# Allegro board Notecarrier-A PCB v2.0.brd (continued)
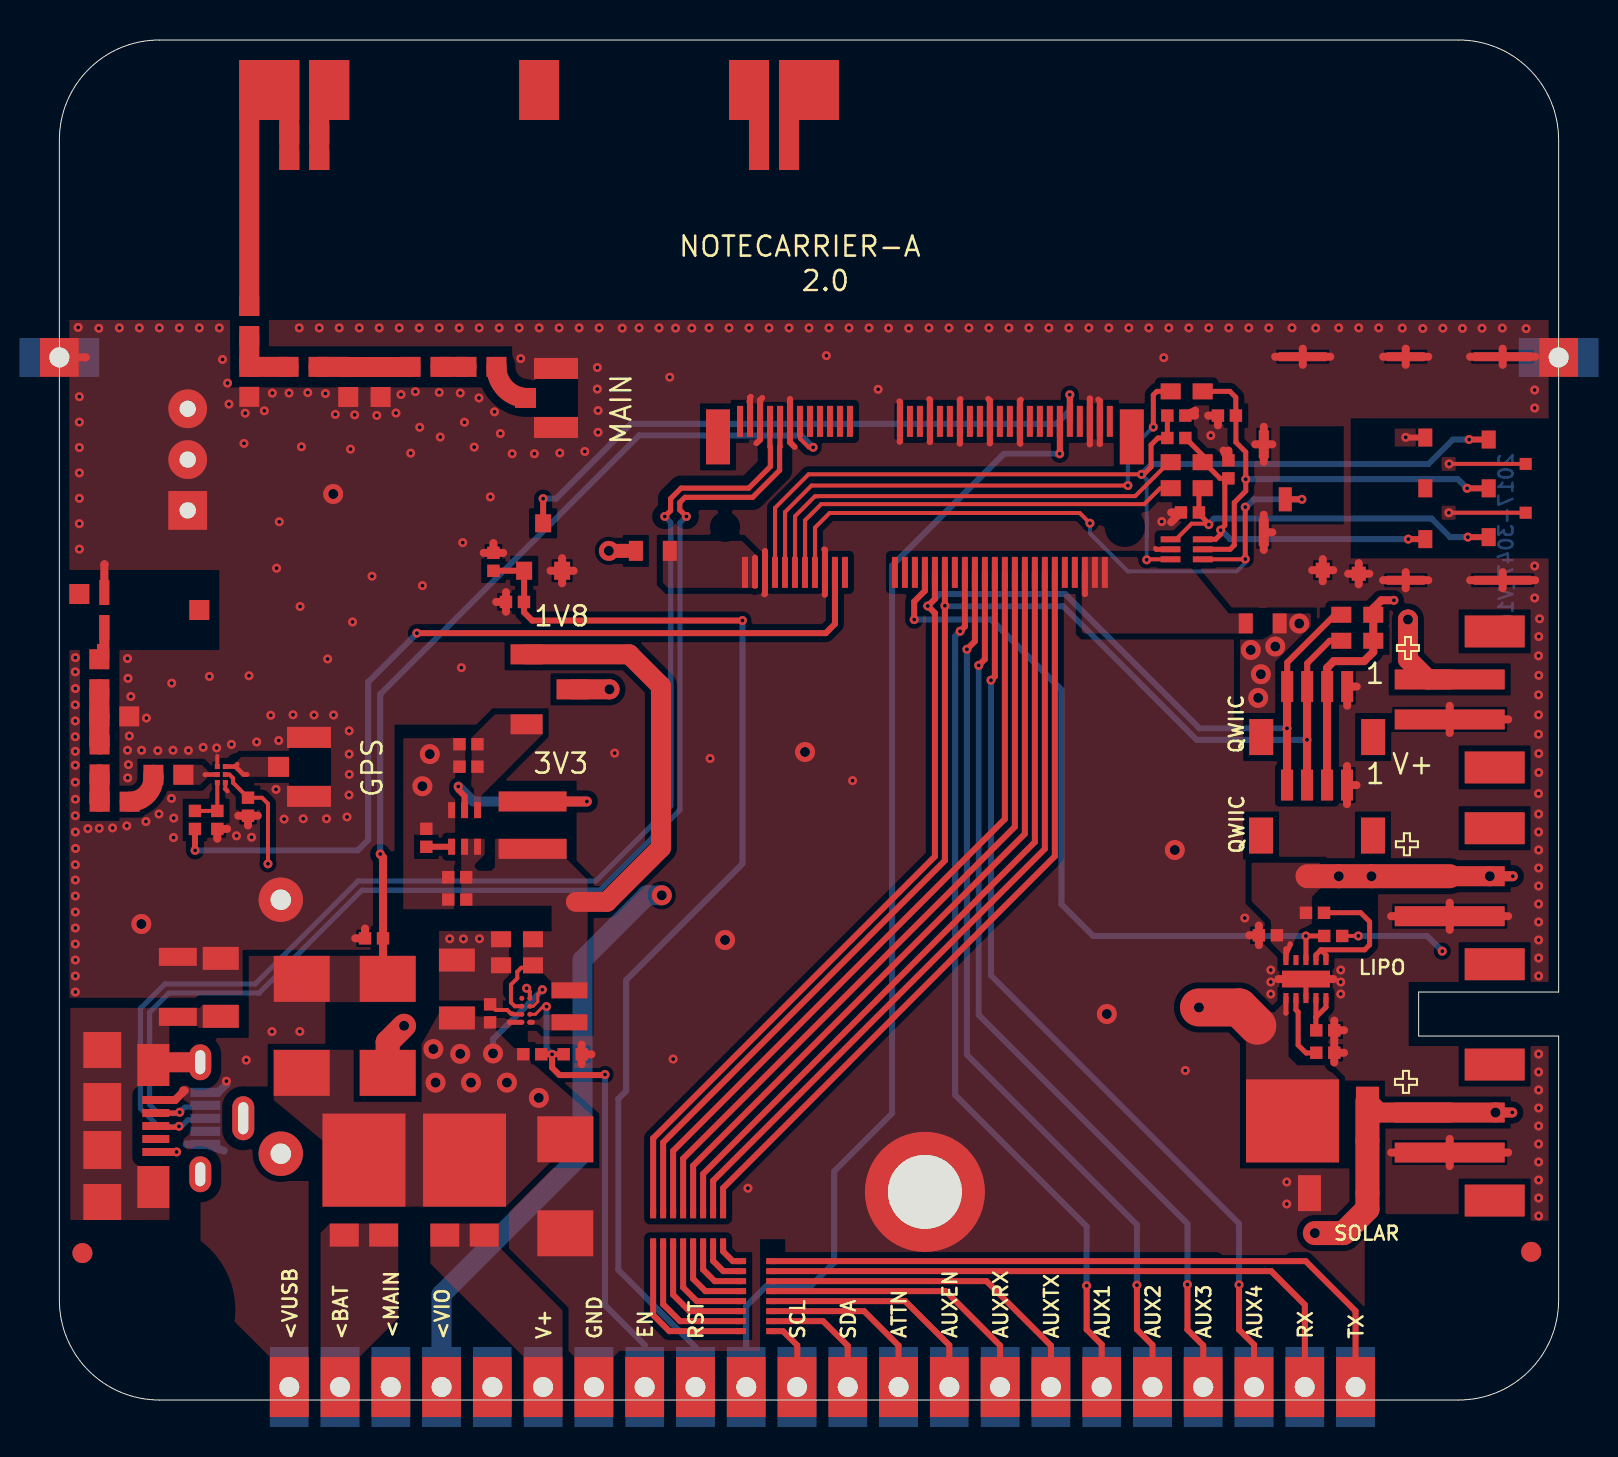
[diagram p0: board, top side]
## Copper pours and planes (outline as drawn; the poured copper is in the pictures) (continued)
+1V8 on TOP: 19.84,28.06 25.36,28.06 25.37,28.06 25.37,27.06 25.37,27.06 26.43,25.99 26.43,25.96 26.43,25.95 26.43,23.21 26.42,23.21 26.42,20.09 24.62,20.09 24.62,20.89 24.19,21.34 23.19,21.34 23.19,23.43 24.63,23.43 24.63,24.71 19.84,24.71 ; 1 cut-out
+3V3 on TOP: 20.75,29.09 20.75,30.55 20.6,30.69 20.6,33.1 21.79,34.28 24.17,34.28 24.17,33.28 21.85,30.96 21.1,30.21 21.1,29.09
GND on TOP: 10.49,54 74.5,54 74.5,49.08 74.1,49.08 74.1,42.08 74.5,42.08 74.5,20.9 67.5,20.9 67.5,17.7 74.5,17.7 74.5,8.96 70.84,8.96 70.84,5.88 74.5,5.88 74.5,5 73.33,1.97 70.42,0.52 70.42,8.93 70.18,8.93 70.18,9.29 65.32,9.29 65.32,8.93 65.3,8.93 65.3,0.5 28.39,0.5 28.39,2.15 28.2,2.15 28.27,2.22 28.27,2.26 28.34,2.33 28.34,2.44 28.33,2.45 28.02,2.45 27.72,2.15 27.71,2.15 27.71,0.5 25.77,0.5 25.77,2.15 25.76,2.16 25.47,2.45 25.47,2.16 25.39,2.16 25.39,2.14 25.29,2.14 25.29,0.5 12.89,0.5 12.89,2.12 22.28,2.12 22.28,7.56 22.49,7.56 22.49,9.49 22,9.49 22,9.38 12.89,9.38 12.89,15.34 14.57,15.34 14.57,18.75 14.86,18.75 14.86,18.58 16.14,18.58 16.14,19.47 18.69,19.47 18.69,19.44 22.9,19.44 22.9,23.74 24.33,23.74 24.33,24.41 21.59,24.41 21.59,26.58 25.87,26.58 25.87,30.96 21.59,30.96 21.59,33.77 16.77,33.77 16.77,24.12 16.77,24.12 16.77,20.85 16.04,20.85 16.04,20.84 14.86,20.84 14.86,20.55 13.91,20.55 13.89,20.55 13.88,20.53 13.82,20.48 13.79,20.52 13.75,20.54 13.71,20.55 12.75,20.55 12.75,20.9 11.75,20.9 11.75,20.73 11.56,20.54 10.9,20.54 10.9,18.75 11.62,18.75 12.46,17.31 8.06,17.31 8.06,19.63 0.5,19.63 0.5,20.07 0.5,54 8.54,54 8.54,52.69 10.49,52.69 ; 29 cut-outs
GND on TOP: 19.37,33.09 20.32,33.09 20.32,31.36 19.8,31.36 19.8,24.54 17.2,24.54 17.2,33.09 19.37,33.09
GND on TOP: 18.99,23.45 22.49,23.45 22.49,19.97 22.18,19.97 22.18,19.46 21.24,19.46 21.24,19.97 18.99,19.97
GND on BOTTOM: 0.5,54 74.45,54 74.45,20.9 67.5,20.9 67.5,17.7 74.45,17.7 74.45,8.78 70.4,8.78 70.4,4.71 66.23,4.71 66.23,2.93 65.46,2.93 65.46,0.5 29.35,0.5 29.35,2.48 27.33,4.5 27.33,12.07 27.04,12.36 25.88,12.36 25.88,11.98 18.74,4.84 18.74,1.13 19.37,0.5 10.45,0.5 10.45,2.93 8.81,2.93 8.81,3.91 4.09,3.91 4.09,0.59 1.56,2.1 0.5,4.85 4.91,4.85 4.91,8.88 0.5,8.88 ; 9 cut-outs
GND on GND: 10.3,54 74.5,54 74.5,20.9 67.5,20.9 67.5,17.7 74.5,17.7 74.5,5 73.18,1.82 70,0.5 69,0.5 69,2.4 67.03,2.4 67.03,2.45 65.49,2.45 65.49,2.4 63.7,2.4 63.7,0.5 28.31,0.5 28.31,2.15 27.71,2.15 27.71,0.5 25.78,0.5 25.78,2.16 25.77,2.16 25.48,2.45 25.08,2.45 25.08,2.38 25.3,2.16 25.38,2.16 25.38,0.5 10.73,0.5 10.73,2.45 6.69,2.45 6.69,0.5 5,0.5 1.82,1.82 0.5,5 0.5,36.87 0.5,36.87 0.5,37.5 0.5,37.5 0.5,54 8.7,54 8.7,50.63 8.7,50.63 21.17,50.63 21.2,50.6 21.2,50.9 22.65,50.9 22.65,51.32 22.65,52.68 22.65,52.69 10.3,52.69 ; 3 cut-outs
GND on POWER: 0.5,37.54 15.28,37.54 15.28,27.62 0.5,27.62
GND on POWER: 7.62,54 7.62,46.61 27.87,46.61 27.87,54
VBAT on TOP: 59.64,26.86 59.64,24.94 60.6,23.98 60.6,22.88 61.23,22.25 61.23,21.75 61.48,21.75 61.48,22.25 62.02,23.48 62.68,23.83 62.67,24.05 62.67,25.18 63.06,25.57 63.06,26.86
VBAT on TOP: 13.53,8.82 16.95,8.82 16.95,4.09 15.01,2.15 15.01,0.5 13.07,0.5 13.07,8.36
VBAT on POWER: 9.52,13.57 9.52,11.31 9.92,10.92 14.91,10.92 15.32,11.32 15.32,17.61 16.35,18.65 16.35,21.5 16.34,21.52 16.64,21.82 57.89,21.82 58.01,21.94 58.01,39.32 58.51,39.84 62.64,39.84 63.15,39.33 63.15,25.06 63.28,24.92 66.05,24.92 66.22,25.08 66.22,41.88 66.01,42.09 56.09,42.09 55.85,41.84 55.85,24.83 55.21,24.2 15.51,24.2 12.78,21.47 12.78,16.05 10.5,13.77 9.73,13.77
GPS_50 on TOP: 11.49,32.16 11.49,31.16 9.14,31.16 8.75,31.55 8.18,31.55 8.18,31.8 8.74,31.8 9.1,32.16
GPS_50_A on TOP: 8.03,31.4 8.03,31.15 7.43,31.15 7.04,30.76 5.7,30.76 5.7,31.76 7.12,31.76 7.49,31.4
GPS_50_E on TOP (solid shape): 2.5,37 1.88,37 1.88,37.8 2,37.8 2,39.25 2.5,39.25
LTE_50_D on TOP (solid shape): 12,61.5 11,61.5 11,64 10,64 10,54.2 9,54.2 9,67 12,67
USB_SHIELD on TOP: 5.5,18.71 5.5,9 0.55,9 0.55,19.61 7.02,19.61 7.17,19.76 8.97,19.76 8.97,18.61 6.97,18.61 6.87,18.71
V+ on TOP: 25.17,4.48 21.98,7.67 21.98,8.82 18.56,8.82 18.56,6.82 23.23,2.15 23.23,0.5 25.17,0.5
VIO on POWER: 1.48,53.03 74.5,53.03 74.5,52.23 73.31,52.23 73.31,35.03 73.32,35.03 73.32,31.49 73.31,31.49 73.31,20.9 66.25,20.9 66.25,5.59 73.31,5.59 73.31,5.54 74.5,5.54 74.5,5 74.36,3.89 73.95,2.84 66.16,2.84 66.16,5.68 63.67,5.68 63.67,2.84 15.62,2.84 15.62,10.03 14.46,10.03 14.46,2.84 13.35,2.84 13.35,5.72 12.09,5.72 7.23,5.74 4.51,7.46 4.51,8.79 1.25,8.79 1.25,8.83 1.25,8.83 1.25,19.93 1.25,19.93 1.25,29.75 1.48,29.75 ; 4 cut-outs
VIO_P on TOP: 30.19,42.96 30.19,40.87 30.45,40.61 34.95,40.61 34.95,42.16 34.15,42.96
VMAIN on TOP: 20.79,19.67 20.79,19.19 21.24,19.19 21.86,19.19 21.86,19.19 22.49,19.19 22.68,19.01 22.69,19.01 23.13,19.01 23.13,18.76 22.69,18.76 22.52,18.6 21.74,18.6 22.75,17.6 23.52,17.6 23.52,16.98 26.7,14.2 26.71,14.19 26.71,11.89 24.56,11.89 22.34,9.67 13.16,9.67 13.14,12.99 10.72,14.99 10.72,17.51 16.75,17.51 17.95,17.51 19.17,19.67
VMAIN on TOP: 60.7,39.33 60.9,39.33 60.89,39.33 62.61,39.33 62.61,38.57 63.35,38.57 63.35,39.33 63.75,39.33 63.72,37.19 63.71,32.71 59.55,32.71 59.55,34.35 59.06,34.35 59.06,37.19 59.06,38.03 60.2,38.03 60.7,38.33 ; 2 cut-outs
VMAIN on POWER: 58.31,39.55 66.21,39.55 66.21,2.77 15.61,2.77 15.61,17.48 16.47,17.48 16.47,18.39 58.31,18.39 ; 1 cut-out
VMODEM_P on TOP: 51.15,42.16 51.15,38.42 51.24,38.33 59.7,38.33 59.7,39.33 58.5,39.33 56.17,42.16
VUSB on TOP: 9.47,22.21 17.82,22.21 17.82,19.89 13.3,19.89 13.3,9.86 12.85,10.28 12.92,10.28 12.92,10.94 12.91,10.95 13.15,10.95 13.15,13.25 11.46,13.25 11.46,10.95 12.47,10.95 12.47,10.63 12.47,0.51 10.53,0.51 10.53,2.15 7.06,5.62 7.06,10.44 6.21,11.3 6.21,18.12 8.77,18.12 9.47,18.82 ; 1 cut-out
VUSB on POWER: 10.2,19.09 12.78,19.09 12.78,16.45 9.53,13.21 9.53,11.28 12.47,8.34 12.47,0.65 10.53,0.65 10.53,2.15 7.02,5.64 7.02,15.9
N17180221 on TOP: 23.53,19.01 23.53,18.76 23.54,18.76 23.98,18.76 24.26,18.48 26.42,18.48 26.42,19.29 24.26,19.29 23.98,19.01
N17224639 on TOP: 59.36,11.88 64.01,11.88 64.01,16.03 63.31,16.74 61.93,16.74 61.49,17.17 61.48,19.55 61.48,20.35 61.23,20.35 61.23,19.85 60.78,19.39 59.66,19.39 59.36,19.1
N17224639 on POWER: 16.65,21.53 58.01,21.53 58.01,18.69 18.11,18.69 18.11,17.78 16.65,17.78 16.65,18.69 16.65,18.69
N17281748 on TOP (solid shape): 14.5,64 13.5,64 13.5,61.5 12.5,61.5 12.5,67 14.5,67
N17281883 on TOP (solid shape): 35.5,61.5 34.5,61.5 34.5,64 33.5,64 33.5,67 35.5,67
N17281892 on TOP (solid shape): 39,64 37,64 37,61.5 36,61.5 36,67 39,67

## Text on the board
BOTTOM: 2017-3047_V16
Ref Des/Silkscreen Bottom: Port | USB Charging
Ref Des/Silkscreen Top: SOLAR | LIPO | <VUSB | <BAT | <MAIN | <VIO | V+ | GND | EN | RST | SCL | SDA | ATTN | AUXEN | AUXRX | AUXTX | AUX1 | AUX2 | AUX3 | QWIIC | AUX4 | RX | TX | 3V3 | 1V8 | NOTECARRIER-A | 2.0 | GPS | MAIN
XSECTION_CHART: *  SURFACE - AIR 0 MM | * SOLDERMASK_TOP MASK - SOLDERMASK 0.02 MM | L1 TOP CONDUCTOR - COPPER 0.035 MM | *  DIELECTRIC - FR-4 0.4 MM | L2 GND PLANE - COPPER 0.035 MM | *  DIELECTRIC - FR-4 0.6 MM | L3 POWER PLANE - COPPER 0.035 MM | L4 BOTTOM CONDUCTOR - COPPER 0.035 MM | * SOLDERMASK_BOTTOM MASK - SOLDERMASK 0.02 MM | DESIGN CROSS SECTION CHART | ___________________________ | TOTAL THICKNESS 1.58 MM | 1-4
PAGE_OUTLINE: TOP and BOTTOM thickness layer shown in the image above contains +20um (from IPC-A-600 Class 2) of plating | BOTTOM | TOP | 0.26 | 0.2 | NA | 90 ohm | +/- 10% | Blues Inc
User.9: FIGURE | FINISHED SIZE | 0.2 | 0.5 | 0.81 | 1.0 | 1.02 | 3.7 | 1.1 | 1.6 | 3.3 | 1.2x0.5 | 1.6x0.5 | ALL UNITS ARE IN MILLIMETERS | TOLERANCE | +0.075/-0.075 | +0.1/-0.1 | +0.0/-0.0 | TYPE | PLATED | NON-PLATED | QTY | 310 | 29 | 3 | 44 | 2 | 1 | 4 | DRILL CHART: TOP to BOTTOM
